# KiCad board Z3660_v023.kicad_pcb (continued)
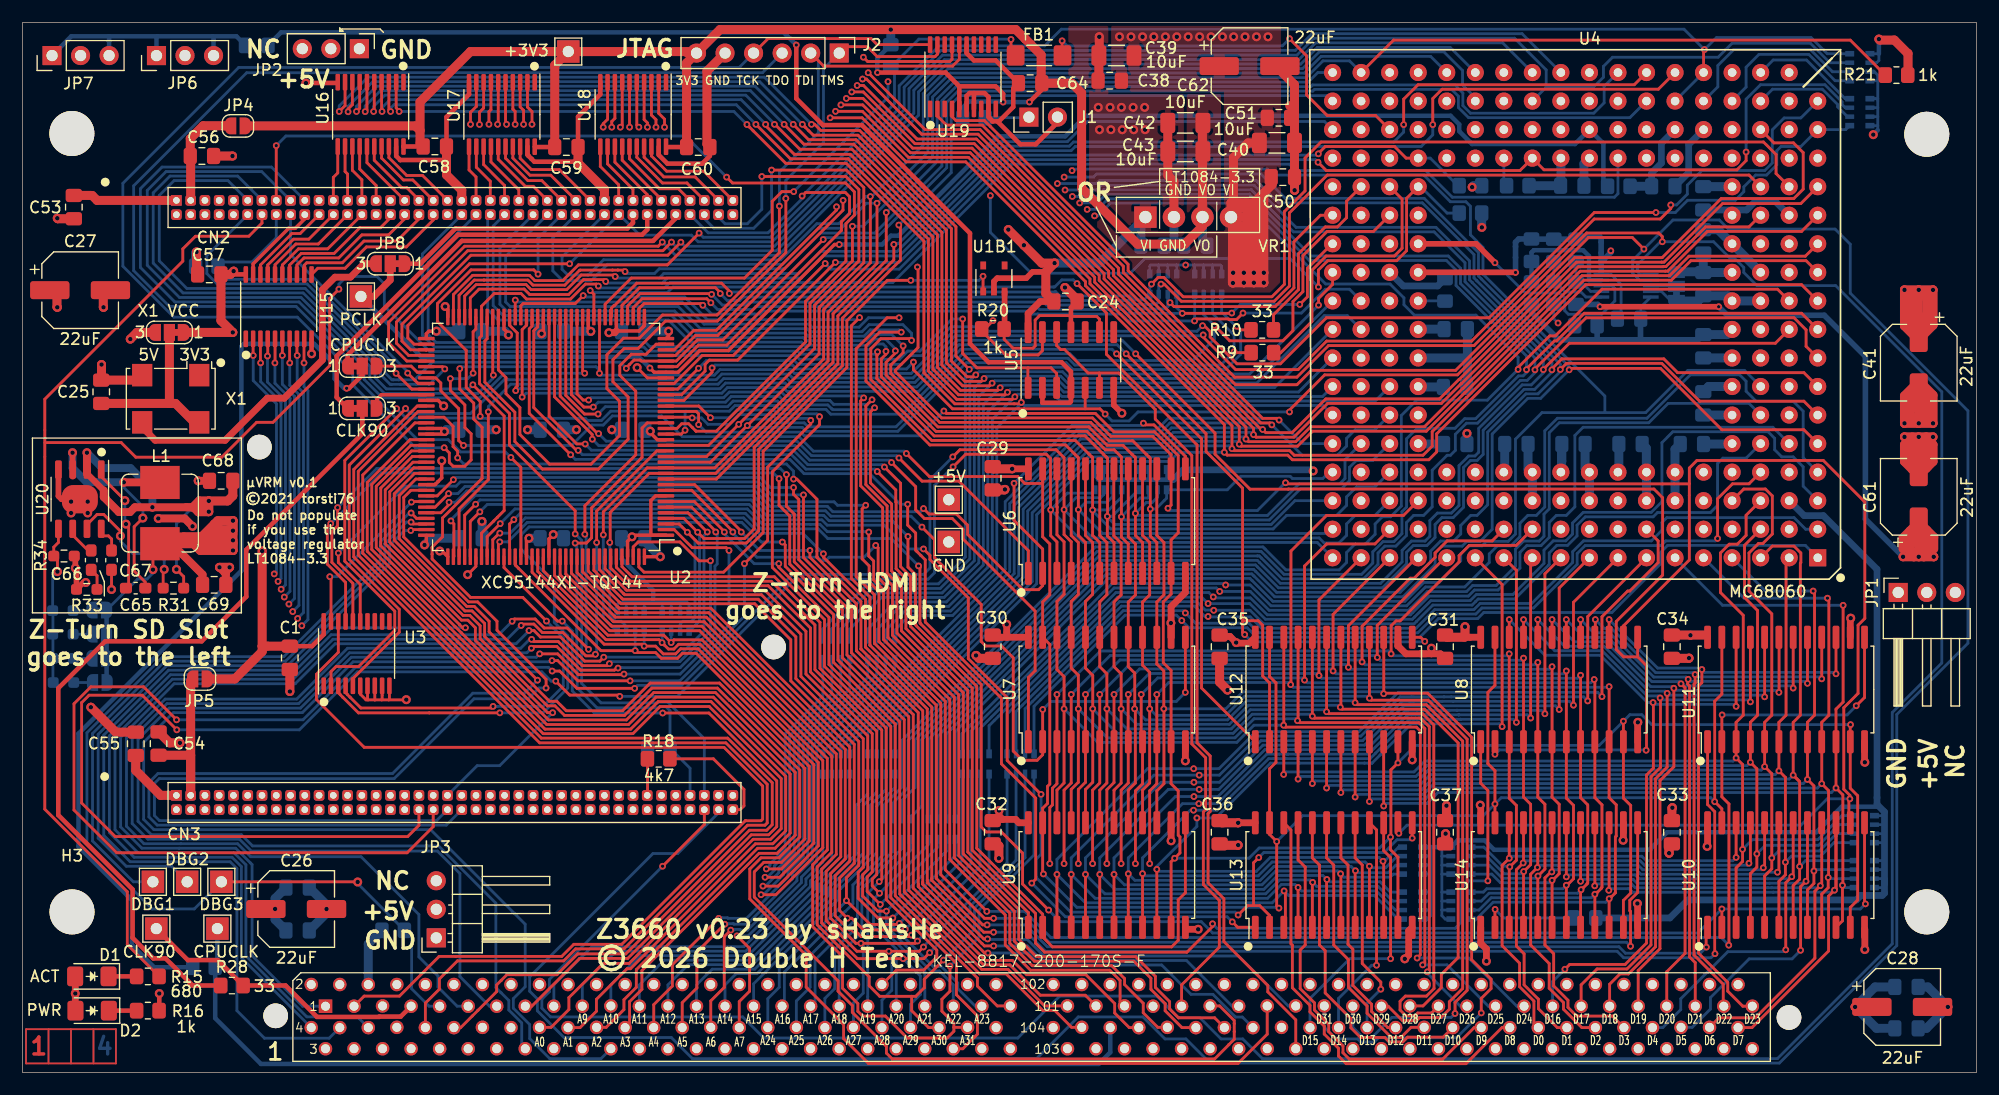
[diagram p0: board, top side]
## Routing (per net, layer and track width the routed paths; a pad name or vN(x,y) marks a point on that pad's centre or on a via; arc(x,y) is an arc through that point) (continued)
060A24: length 211.4
  Top w0.25: U15.2 20.53,63.82 v2(20.54,63.81)
  In2.Cu w0.25: v2(22.41,44.37) 23.38,44.37 24.2,43.55 106.93,43.55 v2(107.09,43.38)
  Bottom w0.25: v2(20.54,63.81) 20.54,61.57 22.61,59.51 22.61,44.57 v2(22.41,44.37) ; RN4.5 83.64,30.15 97,43.51 106.96,43.51 v2(107.09,43.38) 109.27,43.38 111.13,41.53 123.21,41.53 124.88,43.21 128.38,43.21 130.56,45.39 130.56,46.15 131.27,46.86 132.47,46.86 133.29,47.68 133.29,48.88 133.99,49.58 134.75,49.58 135.49,50.32 135.49,57.1 136.62,58.22 144.59,58.22 148.45,62.08 152.85,62.08 153.42,61.51 153.42,60.63 154.32,59.72 157.62,59.72 158.5,58.85 158.5,54.72 U4.55
060A25: length 199.1
  Top w0.25: v2(21.2,63.15) 21.18,63.17 U15.3
  In2.Cu w0.25: v2(106.56,42.81) 106.22,43.15 24.03,43.15 23.48,43.7 v2(22.75,43.7)
  Bottom w0.25: U4.69 153.67,59.54 146.48,59.54 144.75,57.82 136.78,57.82 135.89,56.93 135.89,50.16 135.43,49.69 135.43,47.72 135,47.29 133.6,47.29 132.89,46.57 132.89,45.05 131.17,43.34 129.07,43.34 128.53,42.79 125.04,42.79 123.37,41.13 110.96,41.13 109.28,42.81 v2(106.56,42.81) 106.26,43.11 97.16,43.11 84.44,30.39 RN4.6 ; v2(22.75,43.7) 23.01,43.96 23.01,59.62 23.01,59.62 23.01,59.67 21.2,61.48 v2(21.2,63.15)
060A26: length 199.3
  Top w0.25: U15.4 21.83,63.78 v2(21.81,63.76)
  In2.Cu w0.25: v2(105.99,42.32) 105.56,42.75 23.87,42.75 23.61,43 v2(23.02,43)
  Bottom w0.25: U4.62 155.8,57.42 138.91,57.42 138.18,56.69 138.18,50.34 137.41,49.58 136.52,49.58 135.89,48.95 135.89,47.62 135.17,46.89 133.9,46.89 133.29,46.28 133.29,44.88 131.34,42.94 129.24,42.94 128.7,42.39 125.2,42.39 123.54,40.73 110.8,40.73 109.29,42.23 106.07,42.23 v2(105.99,42.32) 105.6,42.71 97.32,42.71 85.24,30.62 RN4.7 ; v2(21.81,63.76) 21.81,61.44 23.41,59.84 23.41,59.81 23.41,59.81 23.41,43.39 v2(23.02,43)
060A27: length 203.5
  Top w0.25: U15.5 22.48,63.16 v2(22.47,63.15)
  In2.Cu w0.25: v2(23.3,42.31) 23.34,42.27 25.12,42.27 25.19,42.35 104.91,42.35 v2(105.53,41.73)
  Bottom w0.25: U4.37 158.5,52.18 158.5,53.9 157.61,54.78 156.59,54.78 155.96,55.42 155.96,56.43 155.37,57.02 146.89,57.02 145.92,56.05 145.92,50.79 144.98,49.85 138.92,49.85 137.97,48.89 137.97,47.91 137.36,47.31 136.25,47.31 135.43,46.48 135.43,45.3 132.66,42.54 129.4,42.54 128.86,41.99 125.37,41.99 123.7,40.33 110.63,40.33 109.23,41.73 v2(105.53,41.73) 104.96,42.3 97.48,42.3 86.04,30.86 RN4.8 ; v2(23.3,42.31) 23.81,42.82 23.81,59.97 23.81,59.98 23.81,60 22.47,61.34 v2(22.47,63.15)
060A28: length 192.6
  Top w0.25: U15.6 v2(23.13,63.81)
  In2.Cu w0.25: v2(23.71,41.68) 23.9,41.87 25.28,41.87 25.36,41.95 104.48,41.95 105.27,41.15 106.01,41.15 v2(106.03,41.13)
  Bottom w0.25: v2(23.71,41.68) 24.21,42.18 24.21,60.14 24.21,60.14 24.21,60.17 23.13,61.25 v2(23.13,63.81) ; U4.63 153.42,54.67 151.35,54.67 150.88,54.2 150.88,50.47 150.24,49.83 145.53,49.83 145.15,49.45 139.11,49.45 138.37,48.71 138.37,47.75 137.53,46.91 136.57,46.91 135.89,46.23 135.89,45.21 135.83,45.14 135.83,45.14 132.83,42.14 129.57,42.14 129.03,41.59 125.53,41.59 123.87,39.93 110.47,39.93 109.26,41.13 v2(106.03,41.13) 106.01,41.15 105.27,41.15 104.53,41.9 97.64,41.9 87.64,31.89 RN3.5
060A29: length 192.2
  Top w0.25: v2(23.79,63.15) 23.78,63.16 U15.7
  In2.Cu w0.25: v2(105.53,40.58) 105.2,40.58 104.23,41.55 25.52,41.55 25.45,41.47 24.51,41.47 v2(24.05,41.01)
  Bottom w0.25: v2(23.79,63.15) 23.79,61.15 24.61,60.34 24.61,60.31 24.61,60.31 24.61,41.57 v2(24.05,41.01) ; RN3.6 88.44,32.12 97.81,41.5 104.33,41.5 105.25,40.58 v2(105.53,40.58) 105.56,40.54 109.29,40.54 110.3,39.53 124.04,39.53 125.7,41.19 129.19,41.19 129.74,41.74 134.33,41.74 137.98,45.39 137.98,46.34 138.94,47.31 144.98,47.31 145.92,48.25 145.92,48.94 146.36,49.38 157.68,49.38 158.72,48.34 U4.19
060A30: length 187.2
  Top w0.25: v2(24.45,63.81) 24.43,63.83 U15.8 ; U4.57 153.67,52.39 152.21,52.39 150.88,51.05 v2(150.88,47.52)
  In2.Cu w0.25: v2(24.49,40.41) 25.16,41.07 25.61,41.07 25.69,41.15 103.25,41.15 v2(103.51,40.9)
  Bottom w0.25: v2(24.45,63.81) 24.45,61.06 25.01,60.5 25.01,40.92 v2(24.49,40.41) ; RN3.7 89.24,32.36 97.98,41.1 103.3,41.1 v2(103.51,40.9) 104.42,39.98 109.17,39.98 110.02,39.13 124.2,39.13 125.87,40.79 129.36,40.79 129.9,41.34 134.49,41.34 138.38,45.22 138.38,46.18 139.09,46.89 145.85,46.89 146.26,47.31 150.66,47.31 v2(150.88,47.52)
060A31: length 187.5
  Top w0.25: U15.9 25.06,65.27 25.06,63.15 v2(25.06,63.15)
  In2.Cu w0.25: v2(24.86,39.76) 25.86,40.75 102.66,40.75 v2(103.19,40.22)
  Bottom w0.25: U4.1 158.69,46.91 146.43,46.91 145.8,46.27 145.8,45.26 141.47,40.93 130.07,40.93 129.52,40.39 126.03,40.39 124.37,38.73 109.86,38.73 109.01,39.58 103.83,39.58 v2(103.19,40.22) 102.71,40.7 98.14,40.7 90.04,32.59 RN3.8 ; v2(24.86,39.76) 25.41,40.3 25.41,60.67 25.06,61.02 v2(25.06,63.15)
/CPU and CLK/SIZ60_0: length 16.6
  Top w0.25: U4.119 117.86,77.53 117.86,76.06 117.04,75.25 115.96,75.25 113.57,72.85 113.57,69.65 111.35,67.43 R10.1
/CPU and CLK/SIZ60_1: length 23.9
  Top w0.25: 121.69,78.82 122.79,77.72 122.79,73.34 122.11,72.66 116.03,72.66 114.77,71.4 114.77,66.84 111.99,64.05 R9.1
/ZTURN and 3.3V/BP: length 10.3
  Top w0.25: R18.2 61.5,27.92 64.22,25.2 64.22,23.73 63.88,23.39 CN3.80
_040CIOUT: length 202.7
  Top w0.25: v2(51.36,62.22) 51.36,62.23 U2.45 ; v2(46.64,40.17) 44.53,42.28 39.88,42.28 36.46,45.7 36.46,46.12 36.46,46.12 36.46,46.68 36.46,46.68 36.46,46.74 37.39,47.67 37.39,49.35 40.91,52.86 40.91,57.41 40.17,58.15 40.17,59.57 38.92,60.81 v2(38.92,62.63) ; v2(105.04,66.46) 105.19,66.46 105.71,65.93 105.71,65.45 108.1,63.06 111.96,63.06 116.06,67.16 130.54,67.16 139.91,76.53 v2(145.39,76.53) ; U3.4 28.76,33.8 28.94,33.62 28.94,33.62 29.15,33.4 29.16,33.4 30.12,32.44 41.74,32.44 v2(41.89,32.58)
  Bottom w0.25: v2(46.64,40.17) 48.14,38.67 48.14,34.38 46.33,32.58 42.73,32.58 42.72,32.58 42.25,32.58 42.25,32.58 v2(41.89,32.58) ; v2(105.04,66.46) 104.54,65.96 82.85,65.96 79.1,62.21 68.72,62.21 68.37,62.55 62.08,62.55 61.58,62.05 51.53,62.05 v2(51.36,62.22) 51.36,62.5 51.05,62.81 39.09,62.81 v2(38.92,62.63) ; RN2.5 162.29,83.9 U4.127 158.29,82.4 156.53,82.4 156.15,82.02 156.15,80.77 155.24,79.86 154.26,79.86 153.21,78.81 153.21,78.38 152.45,77.62 148.21,77.62 147.12,76.53 v2(145.39,76.53)
_040EMUL: length 145.4
  Top w0.25: v2(60.23,74.7) 57.4,71.87 49.49,71.87 48.09,70.47 45.6,70.47 45.14,70.94 40.07,70.94 38.36,69.23 U2.71 ; v2(149.71,91.02) 149.63,90.95 149.63,88.98
  Bottom w0.25: RN1.8 160.64,90.66 159.19,92.1 150.78,92.1 v2(149.71,91.02) 147.89,92.84 92.47,92.84 90.99,91.36 81.59,91.36 78.04,87.8 78.04,85.8 66.56,74.32 60.6,74.32 v2(60.23,74.7) ; U4.150 149.63,88.98
_040IPEND: length 173
  Top w0.25: v2(105.09,65.64) 105.09,65.44 107.98,62.55 113.54,62.55 116.08,65.09 128.98,65.09 130.66,66.76 130.71,66.76 139.9,75.95 145.78,75.95 146.71,76.88 v2(146.71,77.2) ; v2(34.1,59.09) 34.1,59.06 29.09,54.05 29.09,45.66 33.54,41.21 33.54,39.18 29.41,35.05 U3.5
  Bottom w0.25: U4.145 158.29,84.94 156.8,84.94 155.75,83.89 155.75,80.93 155.07,80.26 149.48,80.26 148.18,78.96 148.18,78.16 147.23,77.2 v2(146.71,77.2) ; v2(34.1,59.09) 34.55,58.64 39.87,58.64 42.88,61.65 43.22,61.65 43.22,61.65 61.75,61.65 62.25,62.15 68.21,62.15 68.55,61.81 79.27,61.81 83.02,65.56 105.02,65.56 v2(105.09,65.64)
_040RSTI: length 156.3
  Top w0.25: v2(53.75,62.66) 53.75,62.71 54.04,63 54.43,63.4 54.99,63.4 55.08,63.31 U2.32 58.19,63.31 60.06,65.19 62.33,65.19 v2(71.27,74.12)
  Bottom w0.25: CN2.12 16.41,72.69 16.41,71.09 17.32,70.18 25.33,70.18 32.27,63.24 32.27,62.27 32.89,61.64 33.01,61.64 33.01,61.64 33.49,61.64 34.9,61.64 36.47,63.21 53.19,63.21 v2(53.75,62.66) ; U4.151 143.07,84.96 128.71,84.96 127.81,85.87 127.81,86.87 127.2,87.48 114.99,87.48 114.84,87.33 83.26,87.33 82.27,86.33 82.27,80.52 76.05,74.3 71.44,74.3 v2(71.27,74.12)
_040RSTO: length 124.1
  Top w0.25: v2(112.78,58.78) 112.78,58.95 115.91,62.08 127.73,62.08 138.16,72.51 145.94,72.51 151.2,77.77 157.66,77.77 158.5,78.6 158.5,81.86 157.63,82.72 155.89,82.72 U4.129 ; v2(79.3,63.22) 79.3,62.54 82.78,59.06 88.66,59.06 88.67,59.06 89.14,59.06 89.15,59.06 95.9,59.06 v2(96.37,58.59) ; U2.25 58.87,59.81 61.38,62.32 v2(61.38,62.7) ; U5.5 94.59,59.06
  Bottom w0.25: v2(96.37,58.59) 96.98,57.98 98.5,57.98 99.29,58.78 v2(112.78,58.78) ; v2(79.3,63.22) 78.69,62.61 68.88,62.61 68.54,62.95 61.63,62.95 v2(61.38,62.7)
_060IPL0: length 120.9
  Top w0.25: v2(53.64,71.27) 53.5,71.41 53,71.41 52.99,71.41 52.52,71.41 52.52,71.41 49.64,71.41 49.6,71.37 49.57,71.37 48.27,70.07 45.44,70.07 44.99,70.52 41.07,70.52 41.07,70.52 40.21,70.52 38.86,69.16 U2.70
  Bottom w0.25: v2(53.64,71.27) 53.81,71.09 56.26,71.09 56.68,71.52 67.84,71.52 71.02,74.7 75.87,74.7 81.84,80.67 81.84,86.47 83.1,87.73 114.68,87.73 114.83,87.88 127.49,87.88 128.21,87.16 128.21,86.04 128.88,85.36 139.86,85.36 140.78,86.29 140.78,87.75 U4.169
_060IPL1: length 117.6
  Top w0.25: U2.69 39.36,69.09 40.38,70.11 41.23,70.11 41.24,70.12 44.82,70.12 45.27,69.67 48.44,69.67 49.74,70.97 52.62,70.97 v2(52.76,70.83) ; U4.168 143.47,87.9 124.22,87.9 122.94,86.62 v2(122.94,84.35)
  Bottom w0.25: v2(52.76,70.83) 52.89,70.7 56.68,70.7 57.08,71.1 69.05,71.1 71.02,73.06 77.86,73.06 87.22,82.43 93.17,82.43 93.54,82.8 122.05,82.8 122.94,83.68 v2(122.94,84.35)
_060IPL2: length 119.8
  Top w0.25: v2(125.53,84.35) 125.53,86.67 126.36,87.5 145.61,87.5 U4.167 ; U2.68 39.86,68.93 40.64,69.71 41.81,69.71 41.82,69.72 44.66,69.72 45.14,69.23 48.61,69.23 49.94,70.56 51.75,70.56 v2(51.91,70.39)
  Bottom w0.25: v2(125.53,84.35) 125.53,83.43 124.49,82.4 93.71,82.4 93.34,82.03 87.4,82.03 78.04,72.66 71.29,72.66 69.32,70.7 57.39,70.7 56.95,70.25 52.05,70.25 v2(51.91,70.39)
_AS: length 103.5
  Top w0.25: v2(85.9,11.89) 85.56,11.89 80.54,16.91 80.54,16.94 80.53,16.94 80.53,17.11 80.53,17.11 80.53,32.36 75.03,37.86 75.03,37.86 75.03,42.11 71.29,45.85 v2(71.29,46.16) ; U2.117 41.86,47.41 42.44,47.99 v2(42.49,47.99)
  Bottom w0.25: v2(85.9,11.89) 85.95,11.84 89.44,11.84 90.91,10.37 108.23,10.37 112.67,5.93 CN1.133 ; v2(42.49,47.99) 43.4,47.99 44.76,49.35 64.18,49.35 65.56,47.98 69.47,47.98 v2(71.29,46.16)
_AVEC: length 112.2
  Top w0.25: v2(44.39,39.78) 44.51,39.91 45.52,39.91 46.27,39.15 48.09,39.15 49.81,37.43 49.81,37.42 50.15,37.08 50.86,37.08 v2(51,37.22) ; v2(51.1,47.16) 51.1,49.96 56.46,55.31 U2.16
  Bottom w0.25: v2(51.1,47.16) 51.1,37.33 v2(51,37.22) ; v2(44.39,39.78) 44.36,39.78 43.14,38.55 27.64,38.55 24.08,35 13.34,35 8.24,29.9 8.24,21.61 10.28,19.56 13.77,19.56 13.77,19.56 18.82,19.56 19.89,18.49 19.89,10.38 25.31,4.95 29.82,4.95 CN1.12
_AVEC040: length 119.3
  Top w0.25: U2.76 34.37,63.81 33.29,64.9 33.29,66.78 39.63,73.13 57,73.13 v2(57.77,73.9)
  Bottom w0.25: v2(57.77,73.9) 58.54,73.12 67.1,73.12 79.34,85.36 79.34,87.41 82.06,90.13 113.6,90.13 115.09,91.62 131.75,91.62 U4.172
_BB040: length 132.7
  Top w0.25: R21.1 162.69,91.87 122.03,91.87 U4.178 ; v2(73.87,75.3) 73.87,72.22 70.1,68.45 70.1,64.84 61.07,55.81 U2.17
  Bottom w0.25: U4.178 118.11,90.02 115.76,90.02 114.26,88.53 82.73,88.53 81.01,86.81 81.01,81.49 74.82,75.3 v2(73.87,75.3)
_BERR: length 69.3
  Top w0.25: v2(56.99,31.99) 61.1,31.99 67.14,25.96 67.14,21.87 66.42,21.16 64.87,21.16 53.87,10.16 49.59,10.16 45.33,5.9 CN1.29 ; v2(48.05,40.17) 47.63,40.17 42.86,44.93 U2.119
  Bottom w0.25: v2(56.99,31.99) 50.9,31.99 48.94,33.95 48.94,39.28 v2(48.05,40.17)
_BG: length 94.7
  Top w0.25: CN1.105 94.6,6.88 90.59,6.88 87.89,9.58 85.54,9.58 78.89,16.24 78.89,31.66 73.39,37.16 73.39,41.36 69.09,45.65 69.09,50.99 68.63,51.45 v2(68.63,52.06) ; U2.101 36.91,51.31 v2(38.35,52.75)
  Bottom w0.25: v2(68.63,52.06) 66.58,52.06 65.69,52.95 38.55,52.95 v2(38.35,52.75)
_BG040: length 115.8
  Top w0.25: U2.77 34.21,63.31 32.59,64.94 32.59,66.75 39.36,73.53 56.59,73.53 v2(56.95,73.89)
  Bottom w0.25: U4.174 127.07,91.22 115.26,91.22 113.77,89.73 82.23,89.73 79.76,87.26 79.76,85.19 67.29,72.72 58.12,72.72 v2(56.95,73.89)
_BGACK: length 102.3
  Top w0.25: U2.94 34.69,54.81 31.89,52.01 31.89,46.87 38.9,39.86 38.9,39.86 39.23,39.52 39.37,39.52 v2(39.43,39.58)
  Bottom w0.25: CN1.8 27.3,3.06 21.54,3.06 19.09,5.51 19.09,18.16 18.49,18.76 13.44,18.76 13.44,18.76 9.59,18.76 7.24,21.11 7.24,30.03 13.01,35.8 23.75,35.8 27.53,39.58 v2(39.43,39.58)
_BGACK040: length 15.4
  Top w0.25: U2.102 34.68,50.81 v2(34.62,50.76) ; U3.19 27.46,44.02 v2(27.36,44.12)
  Bottom w0.25: v2(34.62,50.76) 27.99,44.12 v2(27.36,44.12)
_BGR040: length 122.6
  Top w0.25: v2(115.31,81) 116.05,80.26 133.29,80.26 U4.208 135.43,80.33 152.6,80.33 153.42,81.14 v2(153.42,81.91) ; U2.28 58.01,61.31 60.5,63.81 63.26,63.81 v2(71.45,71.99)
  Bottom w0.25: v2(71.45,71.99) 71.95,71.49 78.03,71.49 87.77,81.23 115.08,81.23 v2(115.31,81) ; v2(153.42,81.91) 153.42,86.62 154.7,87.9 160.43,87.9 161.96,86.36 161.96,86.13 162.24,85.86 RN2.7
_BOSS: length 91.5
  Top w0.25: U2.105 35.07,49.31 v2(34.59,49.79) ; v1(29.84,16.95) 29.82,16.97 DBG3.1
  Bottom w0.25: v1(29.84,16.95) 29.84,16.81 R13.1 34.64,12.01 34.64,7.45 36.19,5.9 CN1.17 ; v2(34.59,49.79) 34.43,49.79 31.85,47.21 31.85,45.6 23.25,37 12.51,37 5.74,30.23 5.74,20.36 11.54,14.56 15.29,14.56 DBG3.1
_BR: length 124.1
  Top w0.25: v2(45.3,37.76) 45.45,37.91 47.57,37.91 49.67,35.8 52.68,35.8 52.87,35.99 v2(53.01,35.99) ; v2(61.71,48.09) 61.71,48.16 59.55,50.31 U2.6
  Bottom w0.25: v2(61.71,48.09) 61.84,47.96 61.84,45.25 61.64,45.06 61.64,39.12 58.55,36.03 53.3,36.03 53.27,36.01 53.03,36.01 v2(53.01,35.99) ; CN1.25 41.57,5.9 38.94,8.53 38.94,17.7 36.94,19.7 20.37,19.7 19.32,20.76 14.27,20.76 14.27,20.76 11.16,20.76 9.77,22.16 9.77,29.73 12.87,32.83 24.58,32.83 29.1,37.35 44.89,37.35 v2(45.3,37.76)
_BR040: length 82.6
  Top w0.25: U2.11 61.76,52.81 72.15,63.2 72.15,67.52 76.88,72.25 v2(76.88,76.53)
  Bottom w0.25: v2(76.88,76.53) 81.42,81.06 81.42,86.61 82.93,88.13 114.45,88.13 115.3,88.98 U4.179
_BTT: length 81.6
  Top w0.25: v2(72.36,72.09) 63.67,63.4 61.14,63.4 60.76,63.02 60.76,62.41 58.66,60.31 U2.26 ; U4.212 123.16,81.36 122.12,82.4 115.96,82.4 115.34,81.78 v2(115.34,81.75)
  Bottom w0.25: U4.212 125.31,81.36 127.76,78.91 R5.2 ; v2(72.36,72.09) 72.36,72.09 78.03,72.09 87.57,81.63 115.22,81.63 v2(115.34,81.75)
_CEAB: length 210
  Top w0.25: v2(162.71,30.96) 162.69,30.93 U11.11 162.69,25.29 163.35,24.63 163.35,15.35 162.69,14.69 U10.11 ; U13.11 122.43,19.16 121.77,19.83 v2(121.77,20.95) 121.8,20.99 121.8,26.93 v2(122.43,27.55) U12.11 ; v2(142.49,31.26) U8.11 142.49,24.42 143.14,23.77 143.14,15.97 142.49,15.32 U14.11 ; v2(82.01,58.87) 82.23,58.65 95.5,58.65 97.14,57.01 100.76,57.01 102.87,54.9 102.87,48.03 102.23,47.39 102.23,42.58 101.54,41.88 101.54,36.47 102.23,35.77 U7.11 102.23,25.7 102.87,25.06 102.87,21.12 103.02,20.97 103.02,19.54 v2(102.55,19.07) 102.23,18.75 U9.11 ; U2.23 57.29,58.83 59.98,58.83 60.18,58.62 v2(60.18,57.65)
  Bottom w0.25: v2(60.18,57.65) 60.85,56.98 69.27,56.98 69.6,56.66 79.8,56.66 v2(82.01,58.87) ; v2(121.77,20.95) 120.79,19.98 110.08,19.98 109.17,19.07 v2(102.55,19.07) ; v2(162.71,30.96) 145.01,30.96 144.13,31.84 143.07,31.84 v2(142.49,31.26) 140.34,29.11 123.98,29.11 v2(122.43,27.55)
_CEBA: length 223.4
  Top w0.25: 151.26,38.73 151.26,33.68 150.62,33.04 v2(150.62,24.1) 151.26,23.46 U10.23 ; U14.23 v2(131.06,23.9) 131.06,26.85 130.43,27.48 130.43,33.83 131.06,34.46 131.06,38.73 ; U2.80 36.78,61.81 37.24,61.36 37.24,60.67 38.83,59.08 38.83,56.23 v2(39.26,55.8) ; v2(111.83,14.63) 111.64,14.83 v2(111.64,20.55) 111,21.19 U13.23 111,27.03 111.57,27.6 111.57,34.66 111,35.24 111,38.73 ; v2(90.87,17.67) 90.8,17.74 U9.23 90.8,23.51 91.24,23.94 91.24,25.46 91.44,25.67 91.44,38.1 90.8,38.73 90.8,41.87 91.44,42.51 91.44,47.04 90.8,47.67 U6.23 90.8,52.47 90.75,52.42 89.21,52.42 88.59,53.04 80.72,53.04 v2(78.67,55.08)
  Bottom w0.25: v2(111.83,14.63) 111.76,14.7 93.84,14.7 v2(90.87,17.67) ; v2(150.62,24.1) 150.27,24.46 131.62,24.46 v2(131.06,23.9) 130.02,22.86 113.94,22.86 v2(111.64,20.55) ; v2(78.67,55.08) 78.46,55.29 70.4,55.29 69.11,56.58 58.74,56.58 56.89,58.43 52.5,58.43 51.69,57.61 50.68,57.61 48.87,55.8 v2(39.26,55.8)
_CIIN: length 84.2
  Top w0.25: U2.10 59.83,52.31 63.98,48.16 v2(63.98,48.09) ; v2(70.09,46.45) 70.09,45.85 74.23,41.71 74.23,37.53 74.23,37.52 79.73,32.03 79.73,16.78 79.73,16.77 79.73,16.61 79.73,16.61 79.73,16.58 79.74,16.58 79.74,16.54 85.64,10.64 v2(85.93,10.64)
  Bottom w0.25: v2(85.93,10.64) 89.51,10.64 90.58,9.57 101.4,9.57 104.01,6.96 105.96,6.96 107.98,4.94 108.58,4.94 CN1.132 ; v2(63.98,48.09) 65.61,46.45 v2(70.09,46.45)
_CIOUT: length 112.9
  Top w0.25: v2(28.05,50.27) 28.05,48.64 27.54,48.13 27.54,45.4 29.41,43.52 U3.16 ; CN1.101 90.98,5.93 87.72,9.18 85.38,9.18 78.49,16.07 78.49,31.41 72.99,36.91 72.99,41.16 68.69,45.45 68.69,49.69 68,50.39 v2(68,53.21)
  Bottom w0.25: v2(28.05,50.27) 31.53,53.75 67.45,53.75 v2(68,53.21)
_CLA: length 2.4
  Bottom w0.25: U4.194 126.6,68.66 R6.2
_CLKEN: length 167
  Top w0.25: v2(49.2,47.92) 49.2,49.98 43.35,55.83 43.35,58.65 40.69,61.31 40.69,65.39 40.86,65.56 U2.66 40.86,68.19 41.99,69.31 44.38,69.31 44.87,68.83 48.78,68.83 50.11,70.16 51.08,70.16 v2(51.26,69.98)
  Bottom w0.25: v2(49.2,47.92) 49.77,47.35 49.77,34.62 51.5,32.9 56.51,32.9 56.58,32.97 57.42,32.97 60.69,29.7 CN3.75 ; U4.205 142.01,78.2 141.7,77.89 127.26,77.89 124.89,80.26 113.33,80.26 112.76,80.83 88,80.83 77.47,70.3 57.63,70.3 57.15,69.81 51.43,69.81 v2(51.26,69.98)
_CPURST: length 76.2
  Top w0.25: v2(63.23,48.1) 63.23,48.15 59.57,51.81 U2.9 ; CN1.109 97.7,6.32 97.7,8.19 96.78,9.11 89.72,9.11 87.48,11.35 87.48,14.02 82.54,18.96 82.54,33.2 77.04,38.7 77.04,43.16 76.16,44.03 76.16,46.69 v2(75.95,46.91)
  Bottom w0.25: v2(63.23,48.1) 63.23,48 65.37,45.86 70.77,45.86 71.05,45.58 71.53,45.58 71.8,45.86 74.9,45.86 v2(75.95,46.91)
_DMACOE: length 151.8
  Top w0.25: v2(86.44,13.72) 85.62,13.72 81.73,17.61 81.73,32.86 76.24,38.36 76.24,38.36 76.23,42.78 75.36,43.66 75.36,43.66 75.36,45.08 74.74,45.7 74.74,50.16 v2(75.06,50.48) ; v2(143.13,11.23) 143.13,14.34 143.06,14.41 143.06,15.32 143.76,16.02 U14.13 ; v2(37.93,51.51) 36.73,50.31 U2.103
  Bottom w0.25: v2(75.06,50.48) 72.54,50.48 72.24,50.78 66.71,50.78 65.34,52.15 39.39,52.15 38.75,51.51 v2(37.93,51.51) ; v2(86.44,13.72) 89.25,13.72 91.39,11.59 142.77,11.59 v2(143.13,11.23)
_DS: length 78.3
  Top w0.25: v2(42.48,47.22) 42.36,47.1 U2.118 ; v2(67.64,47.2) 67.89,46.95 67.89,45.05 72.19,40.76 72.19,36.51 77.69,31.01 77.69,15.72 83.53,9.88 85,8.41 85,7.69 86.76,5.93 CN1.97
  Bottom w0.25: v2(42.48,47.22) 43.19,47.22 44.92,48.95 64.02,48.95 65.77,47.2 v2(67.64,47.2)
_DSACK0: length 64.3
  Top w0.25: U2.7 59.8,50.81 62.47,48.14 v2(62.47,48.09) ; v2(67.32,45.28) 67.32,44.96 71.79,40.49 71.79,36.31 77.29,30.81 77.29,15.56 83.13,9.71 83.13,6.92 85,5.05 85,3.41 83.7,2.12 CN1.91
  Bottom w0.25: v2(67.32,45.28) 65.13,45.28 62.47,47.94 v2(62.47,48.09)
_DSACK1: length 109
  Top w0.25: v2(60.96,48.09) 60.94,48.09 59.23,49.81 U2.5 ; v2(45.09,39.33) 45.53,39.33 46.1,38.75 47.89,38.75 50.04,36.61 51.39,36.61 v2(51.74,36.95)
  Bottom w0.25: v2(60.96,48.09) 60.66,47.8 60.66,39.28 58.34,36.96 51.74,36.96 v2(51.74,36.95) ; v2(45.09,39.33) 45.09,39.31 43.93,38.15 27.83,38.15 24.28,34.6 24.25,34.6 24.25,34.6 13.5,34.6 8.74,29.83 8.74,21.86 10.63,19.96 13.94,19.96 18.98,19.96 20.29,18.65 20.29,18.65 20.44,18.51 20.44,10.39 24.93,5.9 CN1.1
_EMUL: length 127.6
  Top w0.25: v2(62.89,46.45) 62.64,46.71 59.61,46.71 58.01,48.31 U2.2 ; v2(46.04,37.26) 47.64,37.26 49.49,35.4 53.48,35.4 v2(53.54,35.45)
  Bottom w0.25: v2(62.89,46.45) 62.89,39.8 58.54,35.45 v2(53.54,35.45) ; CN1.31 44.44,2.43 44.44,4.41 43.29,5.56 43.29,6.42 42.61,7.1 42.59,7.1 42.14,7.56 42.14,15.07 37.04,20.16 20.48,20.16 19.48,21.16 14.44,21.16 14.44,21.16 11.48,21.16 10.29,22.36 10.29,29.66 13.06,32.43 24.75,32.43 29.27,36.95 45.73,36.95 v2(46.04,37.26)
_HLT: length 119.3
  Top w0.25: v2(50.05,47.9) 50.06,47.9 50.06,50.44 54.59,54.97 54.59,60.63 53.17,62.05 53.17,62.89 54.19,63.92 55.51,63.92 56.4,64.81 U2.35 ; v2(50.39,37.66) 48.49,39.56 46.44,39.56 45.64,40.36 43.79,40.36 v2(43.59,40.16)
  Bottom w0.25: CN1.4 19.49,10.21 19.49,18.32 18.65,19.16 13.61,19.16 13.61,19.16 9.93,19.16 7.74,21.36 7.74,29.96 13.17,35.4 23.92,35.4 27.47,38.95 42.39,38.95 v2(43.59,40.16) ; v2(50.39,37.66) 50.17,37.87 50.17,47.78 v2(50.05,47.9)
_INT2: length 76.4
  Top w0.25: v2(61.24,58.27) 60.19,59.31 U2.24 ; v2(70.94,58.36) 70.94,57.65 66.74,53.45 66.74,44.95 71.39,40.31 71.39,36.14 76.89,30.64 76.89,15.39 81.38,10.89 81.38,10.28 80.21,9.11 77.78,9.11 CN1.82
  Bottom w0.25: v2(61.24,58.27) 62.9,58.27 63.59,58.95 66.88,58.95 67.22,58.61 70.7,58.61 v2(70.94,58.36)
_INT6: length 157.4
  Top w0.25: v2(64.26,45.28) 66.33,47.35 66.33,53.87 70.16,57.71 v2(70.16,58.03) ; v2(47.14,36.66) 47.64,36.66 49.44,34.86 v2(54.09,34.86) ; U2.22 59.55,58.31 v2(59.61,58.25)
  Bottom w0.25: v2(54.09,34.86) 58.5,34.86 64.26,40.61 v2(64.26,45.28) ; CN1.43 51.5,1.24 46.93,1.24 45.15,3.02 45.15,4.27 43.69,5.73 43.69,6.57 44.75,7.63 44.75,13.2 36.33,21.61 11.7,21.61 10.79,22.53 10.79,29.38 13.43,32.03 24.91,32.03 29.43,36.55 47.03,36.55 v2(47.14,36.66) ; v2(70.16,58.03) 69.99,58.21 67.06,58.21 66.73,58.54 63.74,58.54 62.88,57.68 61.01,57.68 60.44,58.25 v2(59.61,58.25)
_IPEND: length 116.2
  Top w0.25: CN1.116 98.51,4 97.22,5.29 97.22,6.14 94.65,8.71 89.38,8.71 88.11,9.98 85.71,9.98 79.29,16.4 79.29,31.86 73.79,37.36 73.79,41.56 69.52,45.83 v2(69.52,51.4) ; v2(28.11,46.23) 28.11,45.39 30.06,43.44 U3.15
  Bottom w0.25: v2(28.11,46.23) 34.06,52.18 38.59,52.18 38.97,52.55 65.51,52.55 66.66,51.4 v2(69.52,51.4)
_IPL0: length 105.2
  Top w0.25: CN1.120 101.05,4.02 99.76,5.32 99.76,6.17 98.1,7.83 98.1,8.36 96.95,9.51 89.88,9.51 87.88,11.51 87.88,14.19 82.94,19.13 82.94,33.41 77.44,38.91 77.44,43.33 76.56,44.2 76.56,50.25 74.61,52.21 74.61,59.76 v2(74.88,60.03) ; v2(50.39,59.84) 49.91,59.84 49.36,60.39 U2.49
  Bottom w0.25: v2(50.39,59.84) 50.6,60.05 62.41,60.05 62.91,60.55 67.55,60.55 67.89,60.21 74.7,60.21 v2(74.88,60.03)
_IPL1: length 109.1
  Top w0.25: v2(75.62,59.87) 75.07,59.32 75.07,52.31 76.96,50.42 76.96,44.43 77.84,43.56 77.84,39.11 83.34,33.61 83.34,19.29 88.28,14.35 88.28,11.7 90.07,9.91 98.92,9.91 100.44,8.39 100.44,7.41 101.71,6.14 101.71,5.49 103.21,4 CN1.124 ; U2.50 48.86,60.32 49.97,59.21 v2(50.81,59.21)
  Bottom w0.25: v2(50.81,59.21) 51.24,59.65 62.58,59.65 63.08,60.15 67.38,60.15 67.72,59.81 71.86,59.81 71.86,59.79 72.2,59.46 75.21,59.46 v2(75.62,59.87)
_IPL2: length 111.4
  Top w0.25: v2(75.85,59.15) 75.48,58.78 75.48,52.47 77.36,50.58 77.36,44.63 78.24,43.76 78.24,39.31 83.74,33.81 83.74,19.46 88.68,14.52 88.68,11.86 90.24,10.31 99.09,10.31 100.84,8.56 100.84,7.57 102.11,6.3 102.11,5.66 102.9,4.87 106.11,4.87 CN1.128 ; U2.51 48.36,60.26 50.02,58.59 v2(51.23,58.59)
  Bottom w0.25: v2(75.85,59.15) 75.68,58.98 72.13,58.98 72.05,59.06 72.03,59.06 71.68,59.41 67.56,59.41 67.21,59.75 63.26,59.75 62.75,59.25 51.89,59.25 v2(51.23,58.59)
_LOCK: length 152.5
  Top w0.25: v2(42.49,32.01) 36.2,32.01 29.9,32 28.51,33.4 28.5,33.4 28.29,33.62 28.29,33.62 28.11,33.8 U3.3 ; U2.3 58.44,48.81 v2(59.18,48.07) 60.14,47.11 64.43,47.11 65.53,48.21 65.53,55.44 72.98,62.89 72.98,67.12 78.15,72.3 78.15,75.26 v2(78,75.41)
  Bottom w0.25: v2(42.49,32.01) 46.33,32.01 48.54,34.22 48.54,38.86 47.34,40.06 47.34,43.61 44.39,46.56 44.39,47.85 45.09,48.55 58.7,48.55 v2(59.18,48.07) 59.86,47.39 59.86,40.48 59.54,40.16 58.79,40.16 58.54,39.91 RN21.6 ; U4.162 116.13,86.93 83.43,86.93 82.67,86.17 82.67,80.07 v2(78,75.41)
_LOCKE: length 92.6
  Top w0.25: U2.4 58.86,49.31 v2(60.1,48.08) 60.66,47.52 64.27,47.52 65.13,48.37 65.13,55.61 72.58,63.06 72.58,67.33 77.56,72.31 v2(77.56,73.69)
  Bottom w0.25: v2(60.1,48.08) 60.26,47.91 60.26,40.18 RN21.5 ; v2(77.56,73.69) 77.78,73.69 77.85,73.76 77.97,73.76 87.04,82.83 93.01,82.83 94.8,84.63 115.89,84.63 U4.144
_RAMSLOT: length 0
  Top w0.25: 33.4,4 33.4,4 33.4,4
_RESET: length 70.7
  Top w0.25: 95.84,62.25 95.86,62.23 U5.6 ; U5.12 92.05,64.69 92.41,64.33 92.76,64.33 94.84,62.25 97.57,62.25 100.83,59 100.83,58.15 104.08,54.89 104.08,29.24 105.31,28.01 105.31,23.4 105.11,23.19 105.11,16.73 106.53,15.31 106.53,11.15 103.17,7.8 CN1.117
_RMC: length 114
  Top w0.25: v2(27.44,48.84) 27.13,48.54 27.13,45.24 28.76,43.61 U3.17 ; v2(67.34,52.84) 67.34,50.48 68.29,49.52 68.29,45.25 72.59,40.95 72.59,36.7 78.09,31.2 78.09,15.89 83.93,10.04 85.2,8.78 87.56,8.78 90.81,5.53 91.88,5.53 93.38,4.02 CN1.108
  Bottom w0.25: v2(27.44,48.84) 31.94,53.35 66.83,53.35 v2(67.34,52.84)
_SNOOP: length 92.1
  Top w0.25: U2.33 58.12,63.81 59.9,65.59 61.88,65.59 73.03,76.74 73.03,77.6 v2(73.04,77.61) ; U4.200 123.19,77.79 123.19,73.13 122.31,72.24 116.18,72.24 115.35,71.41 v2(115.35,69.9)
  In2.Cu w0.25: v2(73.04,77.61) 74.05,78.62 85.56,78.62 v2(86.15,78.03)
  Bottom w0.25: v2(86.15,78.03) 86.15,74.76 89.79,71.12 98.6,71.12 99.9,72.43 112.82,72.43 v2(115.35,69.9) ; R7.2 126.8,76.47 124.45,78.82 U4.200
